# KiCad board AMC_FMC_Carrier-PcbDoc.kicad_pcb (continued)
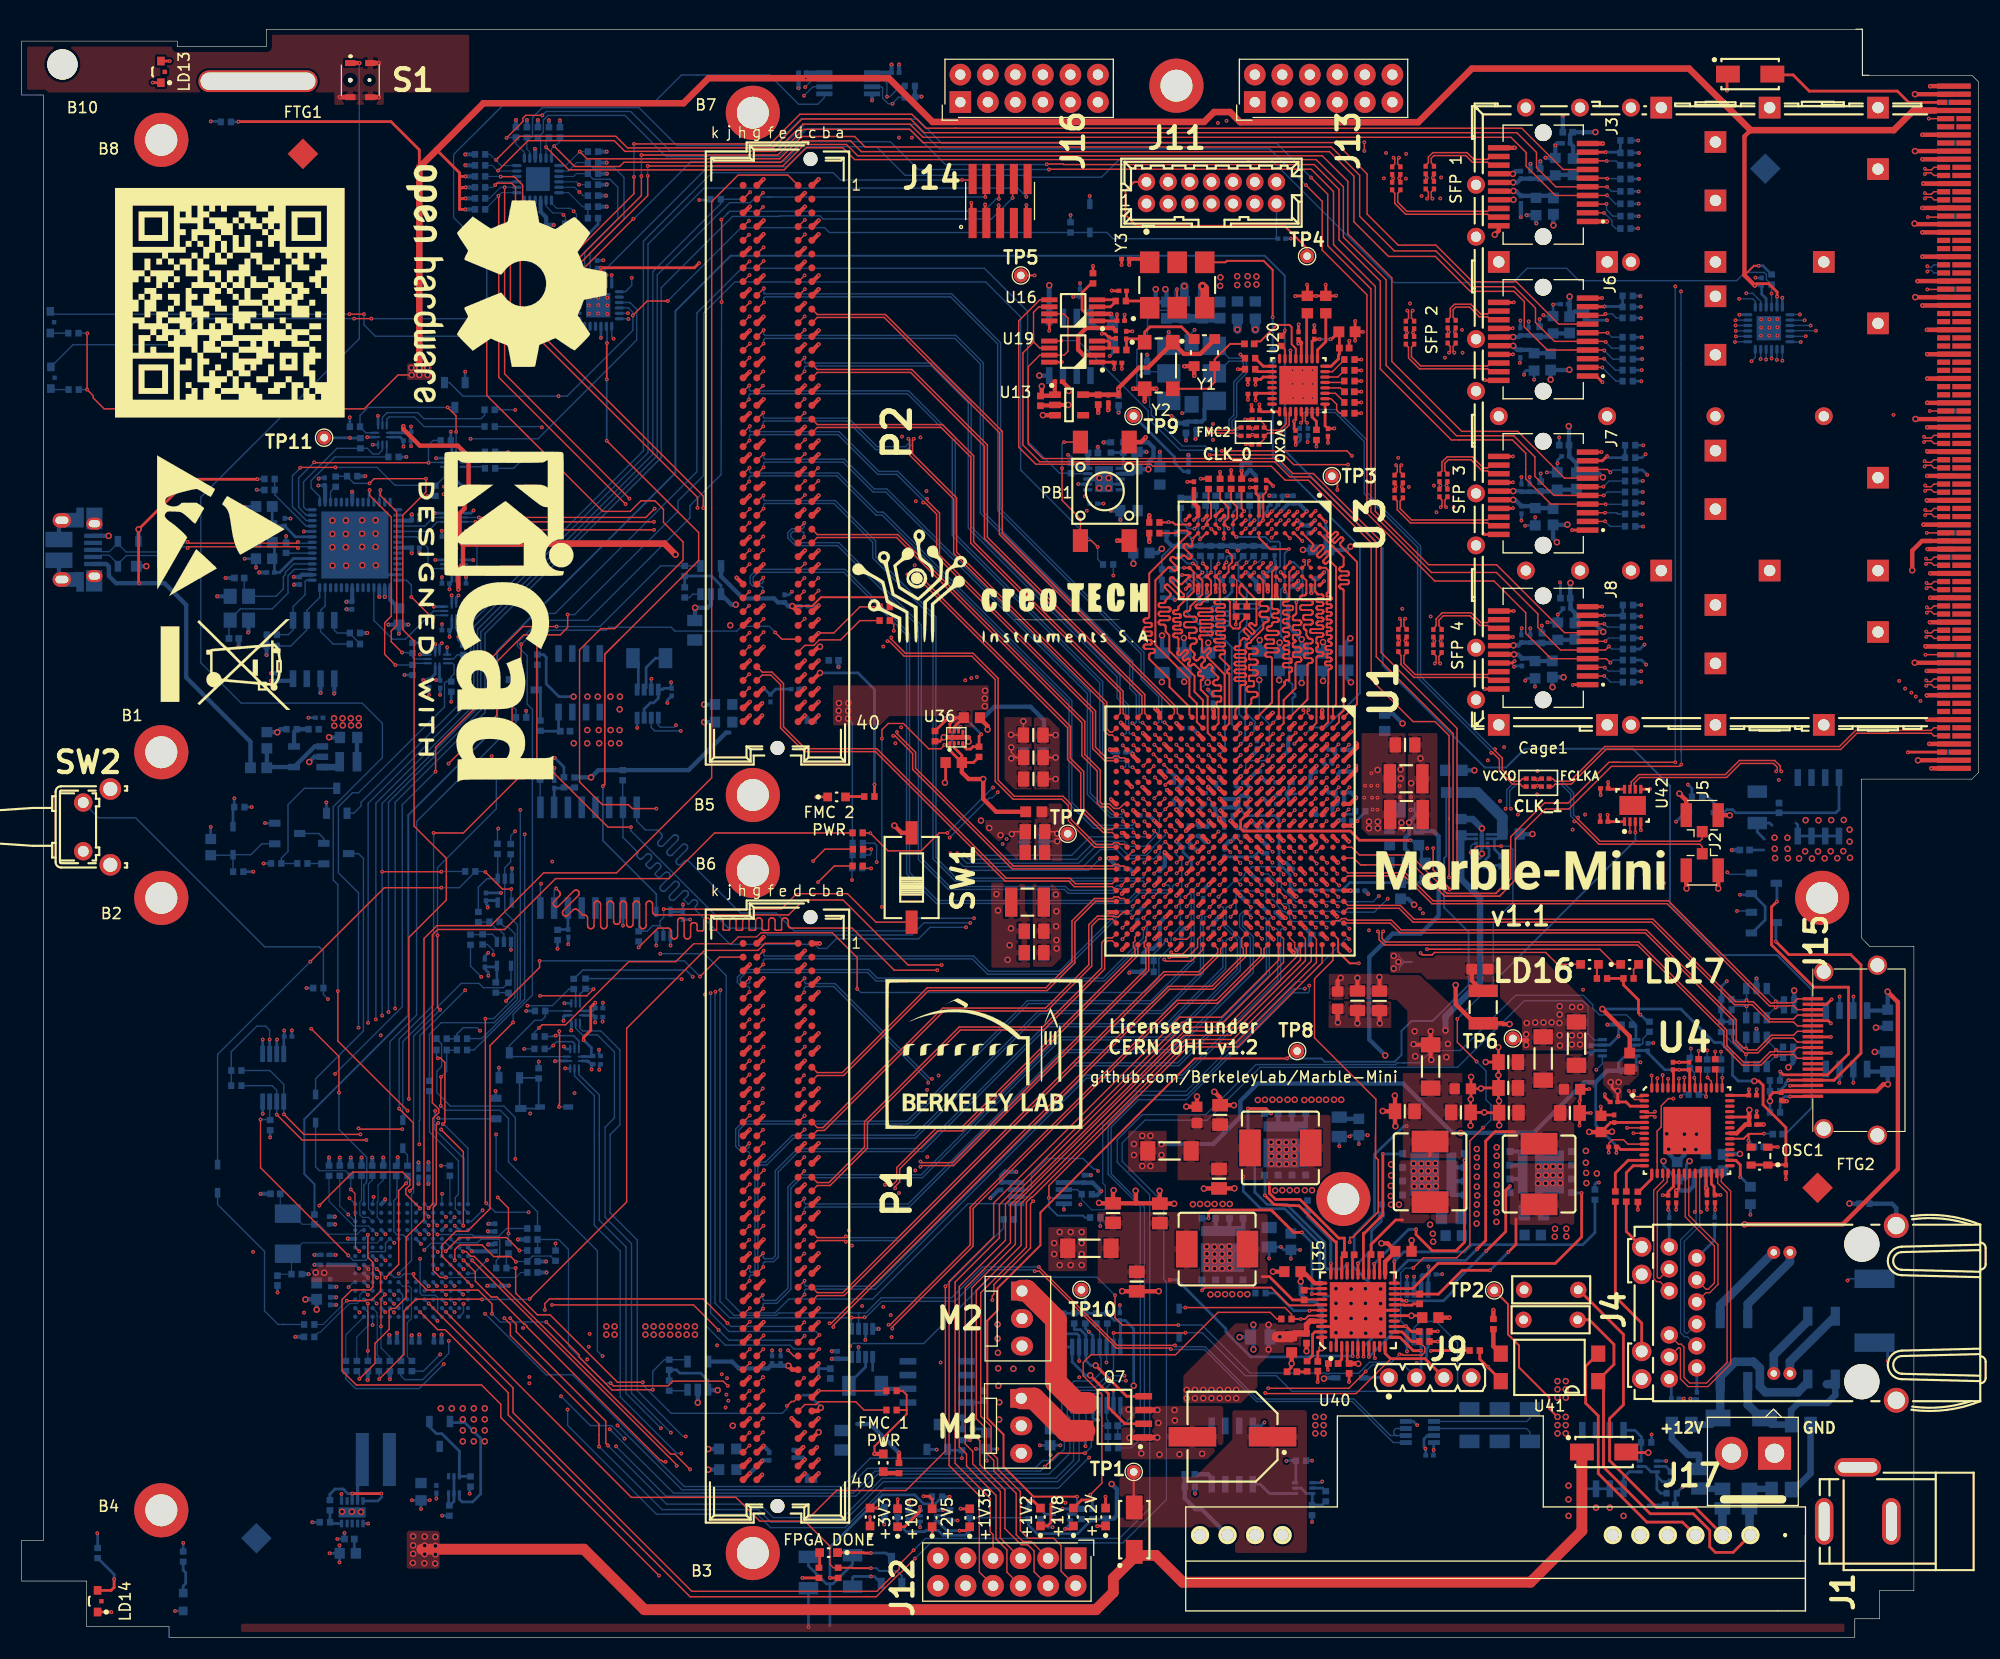
[diagram p0: board, top side]
## Placement (name value [footprint] x y rotation side) (continued)
C246  CC0201_470NF_4V_20%_X5R  [CAPC0603X33N]  113.54 67.93 0 bottom
C247  CC0201_470NF_4V_20%_X5R  [CAPC0603X33N]  107.56 72.96 0 bottom
C248  CC0201_470NF_4V_20%_X5R  [CAPC0603X33N]  114.96 72.76 90 bottom
C249  CC0201_470NF_4V_20%_X5R  [CAPC0603X33N]  109.07 68.59 90 bottom
C250  CC0201_470NF_4V_20%_X5R  [CAPC0603X33N]  103.59 75.91 0 bottom
C251  CC0201_470NF_4V_20%_X5R  [CAPC0603X33N]  105.51 79.97 0 bottom
C252  CC0805_4.7UF_10V_10%_X5R  [CAPC2012X135N]  93.37 81.5 180 bottom
C253  CC0805_4.7UF_10V_10%_X5R  [CAPC2012X135N]  93.45 65.21 180 top
C254  CC0805_4.7UF_10V_10%_X5R  [CAPC2012X135N]  93.38 79.26 180 top
C255  CC0805_4.7UF_10V_10%_X5R  [CAPC2012X135N]  93.37 83.32 180 top
C256  CC0201_470NF_4V_20%_X5R  [CAPC0603X33N]  111.04 72.44 90 bottom
C257  CC0201_470NF_4V_20%_X5R  [CAPC0603X33N]  105.03 70.45 90 bottom
C258  CC0201_470NF_4V_20%_X5R  [CAPC0603X33N]  103 66.56 90 bottom
C259  CC0201_470NF_4V_20%_X5R  [CAPC0603X33N]  107.49 83.96 0 bottom
C260  CC0201_470NF_4V_20%_X5R  [CAPC0603X33N]  110.01 65.48 90 bottom
C261  CC0201_470NF_4V_20%_X5R  [CAPC0603X33N]  115.42 66.94 180 bottom
C262  CC0201_470NF_4V_20%_X5R  [CAPC0603X33N]  101.55 70.97 0 bottom
C263  CC0201_470NF_4V_20%_X5R  [CAPC0603X33N]  107.03 64.43 90 bottom
C264  CC0201_470NF_4V_20%_X5R  [CAPC0603X33N]  112.42 78.93 180 bottom
C265  CC1210_100UF_6.3V_20%_X5R  [CAPC3225X270N]  127.79 79.29 0 top
C266  CC1210_100UF_6.3V_20%_X5R  [CAPC3225X270N]  127.81 75.98 0 top
C267  CC0201_470NF_4V_20%_X5R  [CAPC0603X33N]  106.63 76.95 180 bottom
C268  CC0805_4.7UF_10V_10%_X5R  [CAPC2012X135N]  109.47 90 90 bottom
C269  CC0201_470NF_4V_20%_X5R  [CAPC0603X33N]  106.68 78.93 180 bottom
C270  CC0805_4.7UF_10V_10%_X5R  [CAPC2012X135N]  107.29 90 90 bottom
C271  CC0201_470NF_4V_20%_X5R  [CAPC0603X33N]  115.42 78.96 0 bottom
C272  CC0805_4.7UF_10V_10%_X5R  [CAPC2012X135N]  114.25 90.18 90 bottom
C273  CC0201_470NF_4V_20%_X5R  [CAPC0603X33N]  110.57 78.9 0 bottom
C274  CC0805_4.7UF_10V_10%_X5R  [CAPC2012X135N]  128.14 76.42 0 bottom
C275  CC0201_470NF_4V_20%_X5R  [CAPC0603X33N]  109.6 77.97 0 bottom
C276  CC0805_4.7UF_10V_10%_X5R  [CAPC2012X135N]  127.68 82.41 0 top
C277  CC0201_470NF_4V_20%_X5R  [CAPC0603X33N]  109.55 76.97 0 bottom
C278  CC0805_4.7UF_10V_10%_X5R  [CAPC2012X135N]  105.26 89.99 90 bottom
C279  CC0201_470NF_4V_20%_X5R  [CAPC0603X33N]  115.47 76.95 0 bottom
C280  CC0603_22UF_6.3V_20%_X5R  [CAPC1709X100N]  120.14 90.06 90 bottom
C281  CC0603_22UF_6.3V_20%_X5R  [CAPC1709X100N]  121.46 58.84 270 bottom
C282  CC0603_22UF_6.3V_20%_X5R  [CAPC1709X100N]  116.08 90.06 90 bottom
C283  CC0603_22UF_6.3V_20%_X5R  [CAPC1709X100N]  121.46 58.84 270 top
C284  CC0805_4.7UF_10V_10%_X5R  [CAPC2012X135N]  122.22 90.21 90 bottom
C285  CC0805_4.7UF_10V_10%_X5R  [CAPC2012X135N]  123.29 58.79 270 top
C286  CC0805_4.7UF_10V_10%_X5R  [CAPC2012X135N]  118.13 90.21 90 bottom
C287  CC0805_4.7UF_10V_10%_X5R  [CAPC2012X135N]  125.34 58.78 270 top
C288  CC0201_100NF_6.3V_10%_X5R  [CAPC0603X33N]  139.22 79.3 0 top
C289  CC0201_100NF_6.3V_10%_X5R  [CAPC0603X33N]  139.22 78.56 0 top
C290  CC0201_100NF_6.3V_10%_X5R  [CAPC0603X33N]  112.9 111.72 0 top
C291  CC0201_100NF_6.3V_10%_X5R  [CAPC0603X33N]  112.9 110.95 0 top
C292  CC0201_100NF_6.3V_10%_X5R  [CAPC0603X33N]  140.63 79.3 180 top
C293  CC0201_100NF_6.3V_10%_X5R  [CAPC0603X33N]  139.22 79.29 0 bottom
C294  CC0201_100NF_6.3V_10%_X5R  [CAPC0603X33N]  140.63 78.56 180 top
C295  CC0201_100NF_6.3V_10%_X5R  [CAPC0603X33N]  139.22 78.56 0 bottom
C296  CC0201_100NF_6.3V_10%_X5R  [CAPC0603X33N]  114.32 111.72 180 top
C297  CC0201_100NF_6.3V_10%_X5R  [CAPC0603X33N]  114.32 110.95 180 top
C298  CC0201_100NF_6.3V_10%_X5R  [CAPC0603X33N]  127.25 134.02 90 top
C299  CC0201_100NF_6.3V_10%_X5R  [CAPC0603X33N]  126.49 134.02 90 top
C300  CC0201_100NF_6.3V_10%_X5R  [CAPC0603X33N]  128.52 119.77 90 top
C301  CC0201_100NF_6.3V_10%_X5R  [CAPC0603X33N]  127.76 119.77 90 top
C302  CC0201_100NF_6.3V_10%_X5R  [CAPC0603X33N]  127.48 105.57 90 top
C303  CC0201_100NF_6.3V_10%_X5R  [CAPC0603X33N]  126.72 105.57 90 top
C304  CC0201_100NF_6.3V_10%_X5R  [CAPC0603X33N]  127.83 91.38 90 top
C305  CC0201_100NF_6.3V_10%_X5R  [CAPC0603X33N]  127.07 91.38 90 top
C306  CC0201_100NF_6.3V_10%_X5R  [CAPC0603X33N]  130.35 135.5 270 top
C307  CC0201_100NF_6.3V_10%_X5R  [CAPC0603X33N]  129.59 135.5 270 top
C308  CC0201_100NF_6.3V_10%_X5R  [CAPC0603X33N]  132.36 121.27 270 top
C309  CC0201_100NF_6.3V_10%_X5R  [CAPC0603X33N]  131.62 121.27 270 top
C310  CC0201_100NF_6.3V_10%_X5R  [CAPC0603X33N]  131.6 107.07 270 top
C311  CC0201_100NF_6.3V_10%_X5R  [CAPC0603X33N]  130.86 107.07 270 top
C312  CC0201_100NF_6.3V_10%_X5R  [CAPC0603X33N]  131.06 92.72 270 top
C313  CC0201_100NF_6.3V_10%_X5R  [CAPC0603X33N]  130.3 92.72 270 top
C314  CC0201_100NF_6.3V_10%_X5R  [CAPC0603X33N]  127.25 135.45 270 top
C315  CC0201_100NF_6.3V_10%_X5R  [CAPC0603X33N]  126.49 135.45 270 top
C316  CC0201_100NF_6.3V_10%_X5R  [CAPC0603X33N]  128.52 121.2 270 top
C317  CC0201_100NF_6.3V_10%_X5R  [CAPC0603X33N]  127.76 121.2 270 top
C318  CC0201_100NF_6.3V_10%_X5R  [CAPC0603X33N]  127.48 106.97 270 top
C319  CC0201_100NF_6.3V_10%_X5R  [CAPC0603X33N]  126.72 106.97 270 top
C320  CC0201_100NF_6.3V_10%_X5R  [CAPC0603X33N]  127.83 92.74 270 top
C321  CC0201_100NF_6.3V_10%_X5R  [CAPC0603X33N]  127.07 92.74 270 top
C322  CC0201_100NF_6.3V_10%_X5R  [CAPC0603X33N]  130.35 134.1 90 top
C323  CC0201_100NF_6.3V_10%_X5R  [CAPC0603X33N]  129.59 134.1 90 top
C324  CC0201_100NF_6.3V_10%_X5R  [CAPC0603X33N]  132.36 119.87 90 top
C325  CC0201_100NF_6.3V_10%_X5R  [CAPC0603X33N]  131.62 119.87 90 top
C326  CC0201_100NF_6.3V_10%_X5R  [CAPC0603X33N]  131.6 105.68 90 top
C327  CC0201_100NF_6.3V_10%_X5R  [CAPC0603X33N]  130.86 105.68 90 top
C328  CC0201_100NF_6.3V_10%_X5R  [CAPC0603X33N]  131.06 91.3 90 top
C329  CC0201_100NF_6.3V_10%_X5R  [CAPC0603X33N]  130.3 91.3 90 top
C330  CC0805_47UF_6.3V_20%_X5R  [CAPC2012X140N]  132.84 48.48 0 top
C331  CC0603_4.7UF_25V_10%_X5R  [CAPC1709X95N]  139.47 37.15 0 bottom
C332  CC0201_470NF_4V_20%_X5R  [CAPC0603X33N]  109.95 86.66 90 bottom
C333  CC0201_470NF_4V_20%_X5R  [CAPC0603X33N]  123.62 68.95 0 bottom
C334  CC0201_470NF_4V_20%_X5R  [CAPC0603X33N]  117.04 83.48 270 bottom
C335  CC0201_470NF_4V_20%_X5R  [CAPC0603X33N]  117.65 70.94 180 bottom
C336  CC0201_470NF_4V_20%_X5R  [CAPC0603X33N]  114.02 82.43 270 bottom
C337  CC0201_470NF_4V_20%_X5R  [CAPC0603X33N]  119.56 64.93 180 bottom
C338  CC0201_470NF_4V_20%_X5R  [CAPC0603X33N]  114.62 79.97 180 bottom
C339  CC0201_470NF_4V_20%_X5R  [CAPC0603X33N]  118.57 63.96 0 bottom
C340  CC0805_47UF_6.3V_20%_X5R  [CAPC2012X140N]  137.26 48.45 180 top
C341  CC0805_47UF_6.3V_20%_X5R  [CAPC2012X140N]  137.21 50.74 180 top
C342  CC0201_100NF_6.3V_10%_X5R  [CAPC0603X33N]  53.11 126.79 90 bottom
C343  CC0603_4.7UF_25V_10%_X5R  [CAPC1709X95N]  94.93 18.48 270 bottom
C344  CC0603_4.7UF_25V_10%_X5R  [CAPC1709X95N]  89.05 18.15 270 bottom
C345  CC0805_47UF_6.3V_20%_X5R  [CAPC2012X140N]  137.21 53.12 180 top
C346  CC0805_47UF_6.3V_20%_X5R  [CAPC2012X140N]  105.05 39.15 90 top
C347  CC0603_4.7UF_25V_10%_X5R  [CAPC1709X95N]  108.48 48.25 90 top
C348  CC0603_4.7UF_25V_10%_X5R  [CAPC1709X95N]  133.02 50.66 0 top
C349  CC0603_4.7UF_25V_10%_X5R  [CAPC1709X95N]  143.1 50.61 0 top
C350  CAE830-1020_470UF_16V_20%  [CAPAE830X1020N]  111.76 18.53 180 top
C351  CC0201_100NF_6.3V_10%_X5R  [CAPC0603X33N]  59.99 87.29 270 bottom
C352  CC0201_100NF_6.3V_10%_X5R  [CAPC0603X33N]  152.61 22.05 0 bottom
C353  CPER_4.7NF_400V_5%_500-250X720X650  [CAPR500-250X720X650]  141.12 29.32 180 top
C354  CPER_4.7NF_400V_5%_500-250X720X650  [CAPR500-250X720X650]  141.17 32.09 180 top
C355  CC0201_100NF_6.3V_10%_X5R  [CAPC0603X33N]  39.14 97.32 180 bottom
C356  CC0201_100NF_6.3V_10%_X5R  [CAPC0603X33N]  40.66 97.32 0 bottom
C357  CC0402_100NF_25V_10%_X5R  [CAPC1005X55N]  162.2 76.59 270 bottom
C358  CC0201_100NF_6.3V_10%_X5R  [CAPC0603X33N]  42.85 68.39 90 bottom
C359  CC0201_100NF_6.3V_10%_X5R  [CAPC0603X33N]  42.75 62.27 90 bottom
C360  CC0603_4.7UF_25V_10%_X5R  [CAPC1709X95N]  17.45 72.97 90 bottom
C361  CC0603_4.7UF_25V_10%_X5R  [CAPC1709X95N]  127.53 35.65 0 top
C362  CC0402_100NF_25V_10%_X5R  [CAPC1005X55N]  119.63 25.03 270 top
C363  CC0402_100NF_25V_10%_X5R  [CAPC1005X55N]  117.25 24.52 180 top
C364  CC0603_4.7UF_25V_10%_X5R  [CAPC1709X95N]  119.94 100.42 0 bottom
C365  CC0201_100NF_6.3V_10%_X5R  [CAPC0603X33N]  113.38 108.11 270 bottom
C366  CC0201_100NF_6.3V_10%_X5R  [CAPC0603X33N]  115.65 100.27 90 bottom
C367  CC0201_100NF_6.3V_10%_X5R  [CAPC0603X33N]  116 105.4 180 bottom
C368  CC0201_100NF_6.3V_10%_X5R  [CAPC0603X33N]  107.7 107.99 270 bottom
C369  CC0201_100NF_6.3V_10%_X5R  [CAPC0603X33N]  105.26 96.35 90 bottom
C370  CC0201_100NF_6.3V_10%_X5R  [CAPC0603X33N]  120.37 102.02 270 bottom
C371  CC0201_100NF_6.3V_10%_X5R  [CAPC0603X33N]  116.89 95.52 270 bottom
C372  CC0201_100NF_6.3V_10%_X5R  [CAPC0603X33N]  115.59 104.61 0 bottom
C373  CC0603_4.7UF_25V_10%_X5R  [CAPC1709X95N]  103.35 100.14 180 bottom
C374  CC0402_100PF_50V_5%_C0G  [CAPC1005X55N]  162.08 46.47 0 bottom
C375  CC0402_100PF_50V_5%_C0G  [CAPC1005X55N]  160.35 45.3 0 bottom
C376  CC0201_100NF_6.3V_10%_X5R  [CAPC0603X33N]  146.07 78.4 180 top
C377  CC0201_100NF_6.3V_10%_X5R  [CAPC0603X33N]  146.05 75.32 180 top
C378  CC0201_100NF_6.3V_10%_X5R  [CAPC0603X33N]  140.64 79.29 180 bottom
C379  CC0201_100NF_6.3V_10%_X5R  [CAPC0603X33N]  140.64 78.55 180 bottom
C380  CC0201_100NF_6.3V_10%_X5R  [CAPC0603X33N]  129.95 16.8 180 bottom
C381  CC0201_100NF_6.3V_10%_X5R  [CAPC0603X33N]  80.63 144.49 0 bottom
C382  CC0201_100NF_6.3V_10%_X5R  [CAPC0603X33N]  72.06 144.49 180 bottom
C383  CC0402_1UF_16V_10%_X5R  [CAPC1005X55N]  107.47 111.67 270 bottom
C384  CC0201_100NF_6.3V_10%_X5R  [CAPC0603X33N]  108.35 111.92 270 bottom
C385  CC0201_100NF_6.3V_10%_X5R  [CAPC0603X33N]  112.9 111.72 0 bottom
C386  CC0201_100NF_6.3V_10%_X5R  [CAPC0603X33N]  112.9 110.94 0 bottom
C387  CC0201_100NF_6.3V_10%_X5R  [CAPC0603X33N]  98.05 42.33 90 bottom
C388  CC0201_100NF_6.3V_10%_X5R  [CAPC0603X33N]  90.41 41.67 270 bottom
C389  CC0402_100NF_25V_10%_X5R  [CAPC1005X55N]  122.55 115.02 180 top
Cage1  -  [TYCO_2007132-1]  140.44 112.76 180 top
D1  SS16  [DIOM5127X229N]  159.54 144.36 0 top
D2  BAT165  [SOD2512X110N]  106.83 29.06 90 bottom
D3  BAT165  [SOD2512X110N]  27.13 48.83 270 bottom
D4  SS16  [DIOM5127X229N]  146.06 17.11 0 top
D5  BAT165  [SOD2512X110N]  122.58 23.96 0 bottom
D6  MB210S-TP  [SOIC254P665X290-4N]  158.05 26.52 270 bottom
D7  MB210S-TP  [SOIC254P665X290-4N]  166.13 26.75 270 bottom
D8  SMAJ58A  [DIOM5226X262N]  158.72 20.26 180 bottom
D9  BAT165  [SOD2512X110N]  155.04 76.16 180 bottom
D10  HDMIULC6-4SC6  [SOT95P280X145-6N]  160.12 58.56 270 bottom
D11  HDMIULC6-4SC6  [SOT95P280X145-6N]  160.12 54.06 270 bottom
D12  SS16  [DIOM5127X229N]  102.69 9.94 90 top
D13  PRTR5V0U2X  [SOT190P230X110-4N]  9.83 100.06 90 bottom
D14  BAT165  [SOD2512X110N]  49.15 48.97 180 bottom
D15  BAT165  [SOD2512X110N]  98.59 131.04 90 bottom
D16  BAT165  [SOD2512X110N]  19.51 73.57 270 bottom
D17  BAT165  [SOD2512X110N]  18.08 42.35 270 bottom
D18  BAT165  [SOD2512X110N]  35.18 46.47 270 bottom
FTG1  FIDUCIAL_TARGET_C100-200  [FIDUCIAL_TOP_S200-400]  25.96 136.99 0 top
FTG2  FIDUCIAL_TARGET_C100-200  [FIDUCIAL_TOP_S200-400]  165.76 41.52 0 top
FTG3  FIDUCIAL_TARGET_C100-200  [FIDUCIAL_BOT_S200-400]  21.67 9.16 0 top
FTG4  Pads:FIDUCIAL_BOT_S200-400  [FIDUCIAL_BOT_S200-400]  160.93 135.62 0 top
G***  LOGO  [CTI_logo]  90.83 96.94 0 top
G***#2  LOGO  [qr_neg]  19.21 123.25 0 top
G***#3  LOGO  [lbl_logo_new]  88.8 53.89 0 top
G***#4  LOGO  [marble_font]  138.33 69.13 0 top
G***#5  LOGO  [CTI_logo]  16.31 119.27 90 bottom
G***#6  LOGO  [marble_font]  50.7 22.14 90 bottom
G***#7  LOGO  [lbl_logo_new]  32.28 127.55 90 bottom
G***#8  LOGO  [qr_neg]  12.34 25.18 0 bottom
J1  -  [CLIFF_FC68148(DC-10A)]  172.57 10.71 90 top
J2  HIROSE_U.FL-R-SMT-1(10)  [U.FL_Hirose_U.FL-R-SMT-1_Vertical]  155.12 71.31 270 top
J3  TYCO_1888247-1  [TE_1888247-1]  140.44 134.15 90 top
J4  BELFUSE_0826-1X1T-HS-F  [BELFUSE_0826-1X1T-80-F]  153.34 29.96 270 top
J5  HIROSE_U.FL-R-SMT-1(10)  [U.FL_Hirose_U.FL-R-SMT-1_Vertical]  155.12 75.45 90 top
J6  TYCO_1888247-1  [TE_1888247-1]  140.44 119.87 90 top
J7  TYCO_1888247-1  [TE_1888247-1]  140.44 105.65 90 top
J8  TYCO_1888247-1  [TE_1888247-1]  140.44 91.38 90 top
J9  2057-PH1-04-UA-ND  [SAMTEC_MTLW-104-07-L-S-250]  126.19 23.99 0 top
J10  10103594-0001LF  [USB_Micro-B_Amphenol_10103594-0001LF_Horizontal]  4.83 100.44 90 bottom
J11  -  [MOLEX_87831-1420]  109.82 133.4 0 top
J12  PPTC062LJBN-RC  [SDL-112-X-XX_2x06]  97.28 7.3 270 top
J13  PPTC062LJBN-RC  [SDL-112-X-XX_2x06]  113.82 141.77 90 top
J14  FTSH-105-01-L-DV-K  [SAMTEC_FTSH-105-01-L-DV-K]  90.31 132.64 0 top
J15  -  [10029449-111RLF]  165.33 54.22 90 top
J16  PPTC062LJBN-RC  [SDL-112-X-XX_2x06]  86.64 141.77 90 top
J17  TE_641119-2  [641119-2]  159.81 16.25 180 top
L1  IND0603_MURATA_BLM18SG121TN1D  [INDC1608X65N]  143.2 135.81 270 bottom
L2  IND0603_MURATA_BLM18SG121TN1D  [INDC1608X65N]  141.38 132.17 90 bottom
L3  IND0603_MURATA_BLM18SG121TN1D  [INDC1608X65N]  148.42 53.21 270 top
L4  IND0603_MURATA_BLM18SG121TN1D  [INDC1608X65N]  157.05 43.84 270 bottom
L5  IND0603_MURATA_BLM18SG121TN1D  [INDC1608X65N]  143.51 106.78 270 bottom
L6  IND0603_MURATA_BLM18SG121TN1D  [INDC1608X65N]  141.35 103.48 90 bottom
L7  IND0603_MURATA_BLM18SG121TN1D  [INDC1608X65N]  143.37 92.91 270 bottom
L8  IND0603_MURATA_BLM18SG121TN1D  [INDC1608X65N]  141.27 89.42 90 bottom
L9  IND0603_MURATA_BLM18SG121TN1D  [INDC1608X65N]  27.23 31.97 90 bottom
L10  IND0603_MURATA_BLM18SG121TN1D  [INDC1608X65N]  21.87 80.3 0 bottom
L11  IND0603_MURATA_BLM18SG121TN1D  [INDC1608X65N]  105.66 122.55 270 bottom
L12  IND0603_MURATA_BLM18SG121TN1D  [INDC1608X65N]  110.62 122.57 90 bottom
L13  IND_10UH_20%_TDK_VLCF5020-1  [IND_TDK_VLCF5020-1]  32.69 16.42 0 bottom
L14  IND1806_MURATA_BLM41PG600SN1L  [INDC4516X180N]  143.51 54.83 90 top
L15  IND0603_MURATA_BLM18SG121TN1D  [INDC1608X65N]  93.42 76.24 0 top
L16  IND0603_MURATA_BLM18SG121TN1D  [INDC1608X65N]  132.24 78.02 180 bottom
L17  IND_2.2UH_20%_BOURNS_SRP6540  [IND_BOURNS_SRP6540]  110.34 35.85 180 top
L18  IND_2.2UH_20%_BOURNS_SRP6540  [IND_BOURNS_SRP6540]  116.18 45.2 180 top
L19  IND_2.2UH_20%_BOURNS_SRP6540  [IND_BOURNS_SRP6540]  130 42.99 90 top
L20  IND_2.2UH_20%_BOURNS_SRP6540  [IND_BOURNS_SRP6540]  140.05 42.79 90 top
L21  IND1806_MURATA_BLM41PG600SN1L  [INDC4516X180N]  98.55 35.93 180 top
L22  IND1806_MURATA_BLM41PG600SN1L  [INDC4516X180N]  105.94 44.92 180 top
L23  IND_2.2UH_20%_WURTH_WE-PMCI_74479276222C  [IND_WURTH_WE-PMCI_0806LR]  30.15 80.86 0 bottom
L24  IND0603_MURATA_BLM18SG121TN1D  [INDC1608X65N]  22.38 101.13 0 bottom
L25  IND0603_MURATA_BLM18SG121TN1D  [INDC1608X65N]  22.38 104.43 0 bottom
L26  IND0603_MURATA_BLM18SG121TN1D  [INDC1608X65N]  122.33 120.56 0 top
L27  IND0603_MURATA_BLM18SG121TN1D  [INDC1608X65N]  128.95 73.9 270 bottom
L28  IND0603_MURATA_BLM18SG121TN1D  [INDC1608X65N]  127.27 68.95 90 bottom
L31  IND1806_MURATA_BLM41PG600SN1L  [INDC4516X180N]  130.05 52.72 90 top
L32  IND1806_MURATA_BLM41PG600SN1L  [INDC4516X180N]  140.44 53.45 90 top
L33  IND0603_MURATA_BLM18SG121TN1D  [INDC1608X65N]  134.59 61.71 180 top
L34  IND0603_MURATA_BLM18SG121TN1D  [INDC1608X65N]  126.26 73.93 270 bottom
L35  1k@100MHz  [INDC2012X145N]  164.21 19.65 0 bottom
L36  1k@100MHz  [INDC2012X145N]  153.21 19.65 180 bottom
L37  1k@100MHz  [INDC2012X145N]  162.41 13.65 180 bottom
L38  1k@100MHz  [INDC2012X145N]  154.81 14.65 270 bottom
L39  1k@100MHz  [INDC2012X145N]  159.48 12.81 270 bottom
L40  1k@100MHz  [INDC2012X145N]  156.98 12.81 270 bottom
L41  IND0603_MURATA_BLM18SG121TN1D  [INDC1608X65N]  142.87 121.21 270 bottom
L42  IND0603_MURATA_BLM18SG121TN1D  [INDC1608X65N]  141.12 117.78 90 bottom
LD1  -  [LED_KINGBRIGHT_KPH-1608CGCK]  79.53 16.12 270 top
LD2  -  [LED_KINGBRIGHT_KPH-1608CGCK]  75.22 77.61 0 top
LD3  -  [LED_KINGBRIGHT_KPH-1608CGCK]  74.48 7.82 180 top
LD4  -  [LED_KINGBRIGHT_KPH-1608CGCK]  78.31 11.11 90 top
LD5  -  [LED_KINGBRIGHT_KPH-1608CGCK]  80.85 11.04 90 top
LD6  -  [LED_KINGBRIGHT_KPH-1608CGCK]  84.04 11.05 90 top
LD7  -  [LED_KINGBRIGHT_KPH-1608CGCK]  87.5 11.04 90 top
LD8  -  [LED_KINGBRIGHT_KPH-1608CGCK]  94.03 11.11 90 top
LD9  -  [LED_KINGBRIGHT_KPH-1608CGCK]  97.08 11.11 90 top
LD10  -  [LED_KINGBRIGHT_KPH-1608CGCK]  100.05 11.11 90 top
LD11  -  [LED_AVAGO_HSMC-C120]  2.69 116.32 270 bottom
LD12  -  [LED_AVAGO_HSMC-C120]  2.64 121.45 270 bottom
LD13  -  [LED_AVAGO_HSMC-C120]  12.85 144.56 90 top
LD14  -  [LED_AVAGO_HSMC-C120]  7.01 3.34 90 top
LD15  -  [LED_KINGBRIGHT_KPH-1608CGCK]  14.91 3.26 90 bottom
LD16  -  [LED_KINGBRIGHT_KPH-1608CGCK]  144.71 62.15 0 top
LD17  -  [LED_KINGBRIGHT_KPH-1608CGCK]  148.41 62.15 0 top
M1  Fan_3pin  [Fan_Pin_Header_Straight_1x03]  92.26 22.07 0 top
M2  Fan_3pin  [Fan_Pin_Header_Straight_1x03]  92.33 31.98 0 top
OSC1  25MHz  [OSC_MICREL_2520]  160.4 44.44 180 top
P1  -  [SAMTEC_ASP-134603-01]  69.76 39.32 90 top
P2  -  [SAMTEC_ASP-134603-01]  69.76 109.32 90 top
P3  CMP-0001-00058-2  [AMC-GF-2D-750-O274]  178.35 111.75 0 bottom
PB1  -  [PB_TYCO_FSM2JSMA]  99.97 105.83 0 top
Q1  BC857BV  [SOTFL50P160X60-6N]  150.14 15.79 0 bottom
Q2  SI4425DDY-T1-GE3  [SOIC127P600X175-8N]  145.95 16.42 270 bottom
Q3  SI4425DDY-T1-GE3  [SOIC127P600X175-8N]  165.84 76.69 270 bottom
Q4  SI4425DDY-T1-GE3  [SOIC127P600X175-8N]  111.73 16.83 270 bottom
Q5  BSS138LT1G  [SOT95P240X110-3N]  44.92 48.83 0 bottom
Q6  BSS138LT1G  [SOT95P240X110-3N]  39.98 114.72 270 bottom
Q7  STS8DN6LF6AG  [SOIC127P600X175-8N]  100.86 20.36 180 top
Q8  BSS138LT1G  [SOT95P240X110-3N]  84.51 18.5 90 bottom
Q9  BSS138LT1G  [SOT95P240X110-3N]  46.35 87.49 0 bottom
Q10  FDMS7608S  [FAIRCHILD_MLP08P]  110.84 35.85 270 bottom
Q11  FDMS7608S  [FAIRCHILD_MLP08P]  116.61 45.53 270 bottom
Q12  FDMS7608S  [FAIRCHILD_MLP08P]  130.3 42.76 180 bottom
Q13  FDMS7608S  [FAIRCHILD_MLP08P]  140.21 42.96 0 bottom
Q14  BSS138LT1G  [SOT95P240X110-3N]  29.03 72.38 0 bottom
Q15  BC857BV  [SOTFL50P160X60-6N]  39.9 14.08 270 bottom
Q16  SI4425DDY-T1-GE3  [SOIC127P600X175-8N]  84.51 23.58 180 bottom
Q17  BSS138LT1G  [SOT95P240X110-3N]  45.01 52.82 90 bottom
Q18  BSS138LT1G  [SOT95P240X110-3N]  24.51 74.23 0 bottom
Q19  BSS138LT1G  [SOT95P240X110-3N]  80.29 6.13 90 bottom
Q20  BSS138LT1G  [SOT95P240X110-3N]  160.81 69.63 0 bottom
Q21  BSS138LT1G  [SOT95P240X110-3N]  160.81 66 0 bottom
Q22  BC857BV  [SOTFL50P160X60-6N]  118.33 13.78 0 bottom
Q23  SI4425DDY-T1-GE3  [SOIC127P600X175-8N]  51.46 88.15 90 bottom
Q24  BSS138LT1G  [SOT95P240X110-3N]  29.08 77.25 90 bottom
Q25  Si2315BDS-T1-E3  [SOT95P237X112-3N]  38.58 18.78 270 bottom
Q26  BC847BV  [SOTFL50P160X60-6N]  83.69 11.21 180 bottom
Q27  BC847BV  [SOTFL50P160X60-6N]  95.96 11.37 180 bottom
R1  R0402_51R_1%_0.0625W_100PPM  [RESC1005X40N]  113.33 104.97 270 bottom
R2  R0402_51R_1%_0.0625W_100PPM  [RESC1005X40N]  114.32 104.97 270 bottom
R3  R0402_51R_1%_0.0625W_100PPM  [RESC1005X40N]  112.34 104.97 270 bottom
R4  R0402_40R2_1%_0.0625W_100PPM  [RESC1005X40N]  108.79 100.34 270 bottom
R5  R0402_40R2_1%_0.0625W_100PPM  [RESC1005X40N]  110.21 104.95 270 bottom
R6  R0402_40R2_1%_0.0625W_100PPM  [RESC1005X40N]  109.55 106.51 270 top
R7  R0402_40R2_1%_0.0625W_100PPM  [RESC1005X40N]  106.98 104.76 270 bottom
R8  R0402_40R2_1%_0.0625W_100PPM  [RESC1005X40N]  106.15 101.97 0 bottom
R9  R0402_40R2_1%_0.0625W_100PPM  [RESC1005X40N]  106.88 100.32 270 bottom
R10  R0402_40R2_1%_0.0625W_100PPM  [RESC1005X40N]  104.55 101.97 0 top
R11  R0402_40R2_1%_0.0625W_100PPM  [RESC1005X40N]  111.78 100.32 270 bottom
R12  R0402_40R2_1%_0.0625W_100PPM  [RESC1005X40N]  111.24 97.63 180 bottom
R13  R0402_40R2_1%_0.0625W_100PPM  [RESC1005X40N]  109.28 104.97 270 bottom
R14  R0402_40R2_1%_0.0625W_100PPM  [RESC1005X40N]  108.27 105.02 270 bottom
R15  R0402_40R2_1%_0.0625W_100PPM  [RESC1005X40N]  109.73 100.32 270 bottom
R16  R0402_40R2_1%_0.0625W_100PPM  [RESC1005X40N]  107.85 100.32 270 bottom
R17  R0402_40R2_1%_0.0625W_100PPM  [RESC1005X40N]  105.71 97.63 0 bottom
R18  R0402_40R2_1%_0.0625W_100PPM  [RESC1005X40N]  112.74 100.31 270 bottom
R19  R0402_40R2_1%_0.0625W_100PPM  [RESC1005X40N]  110.69 100.32 270 bottom
R20  R0402_40R2_1%_0.0625W_100PPM  [RESC1005X40N]  114.72 100.31 270 bottom
R21  R0402_40R2_1%_0.0625W_100PPM  [RESC1005X40N]  113.7 100.31 270 bottom
R22  R0402_40R2_1%_0.0625W_100PPM  [RESC1005X40N]  113.08 94.73 90 top
R23  R0402_40R2_1%_0.0625W_100PPM  [RESC1005X40N]  105.72 98.64 0 bottom
R24  R0402_5K1_1%_0.0625W_100PPM  [RESC1005X40N]  111.63 106.53 270 top
R25  R0402_5K1_1%_0.0625W_100PPM  [RESC1005X40N]  112.6 106.51 270 top
R26  R0402_5K1_1%_0.0625W_100PPM  [RESC1005X40N]  104.55 102.96 0 top
R27  R0402_40R2_1%_0.0625W_100PPM  [RESC1005X40N]  110.62 106.51 270 top
R28  R0402_240R_1%_0.0625W_100PPM  [RESC1005X40N]  112.09 94.73 270 top
R29  R0402_10K_1%_0.0625W_100PPM  [RESC1005X40N]  96.85 107.98 270 bottom
R30  R0402_10K_1%_0.0625W_100PPM  [RESC1005X40N]  100.53 109.88 90 bottom
R31  R0402_10K_1%_0.0625W_100PPM  [RESC1005X40N]  101.68 109.88 90 bottom
R32  R0402_10K_1%_0.0625W_100PPM  [RESC1005X40N]  148.03 137.08 0 bottom
R33  R0402_0R_JUMPER  [RESC1005X40N]  148.03 138.23 0 bottom
R34  R0402_10K_1%_0.0625W_100PPM  [RESC1005X40N]  148.03 130.1 180 bottom
R35  R0402_10K_1%_0.0625W_100PPM  [RESC1005X40N]  148.03 132.38 180 bottom
R36  R0402_10K_1%_0.0625W_100PPM  [RESC1005X40N]  148.03 133.53 180 bottom
R37  R0402_10K_1%_0.0625W_100PPM  [RESC1005X40N]  148.03 134.67 180 bottom
R38  R0402_10K_1%_0.0625W_100PPM  [RESC1005X40N]  148.03 135.94 180 bottom
R39  R0402_2K2_1%_0.0625W_100PPM  [RESC1005X40N]  51.21 130.09 90 bottom
R40  R0402_2K2_1%_0.0625W_100PPM  [RESC1005X40N]  50.19 130.09 90 bottom
R41  R0402_2K2_1%_0.0625W_100PPM  [RESC1005X40N]  45.36 130.09 90 bottom
R42  R0402_0R_JUMPER  [RESC1005X40N]  52.73 132.12 0 bottom
R43  R0402_0R_JUMPER  [RESC1005X40N]  46.38 130.09 270 bottom
R44  R0402_0R_JUMPER  [RESC1005X40N]  47.4 130.09 270 bottom
R45  R0402_22K_1%_0.0625W_100PPM  [RESC1005X40N]  42.32 132.88 180 bottom
R46  R0402_22K_1%_0.0625W_100PPM  [RESC1005X40N]  42.32 131.86 180 bottom
R47  R0402_22K_1%_0.0625W_100PPM  [RESC1005X40N]  42.32 134.91 180 bottom
R48  R0402_22K_1%_0.0625W_100PPM  [RESC1005X40N]  42.32 133.9 180 bottom
R49  R0402_22K_1%_0.0625W_100PPM  [RESC1005X40N]  42.32 136.94 180 bottom
R50  R0402_22K_1%_0.0625W_100PPM  [RESC1005X40N]  42.32 135.93 180 bottom
R51  R0402_22K_1%_0.0625W_100PPM  [RESC1005X40N]  46.63 138.98 90 bottom
R52  R0402_22K_1%_0.0625W_100PPM  [RESC1005X40N]  45.62 138.98 90 bottom
R53  R0402_22K_1%_0.0625W_100PPM  [RESC1005X40N]  48.67 138.98 90 bottom
R54  R0402_22K_1%_0.0625W_100PPM  [RESC1005X40N]  47.65 138.98 90 bottom
R55  R0402_22K_1%_0.0625W_100PPM  [RESC1005X40N]  52.73 137.2 0 bottom
R56  R0402_22K_1%_0.0625W_100PPM  [RESC1005X40N]  49.68 138.98 90 bottom
R57  R0402_22K_1%_0.0625W_100PPM  [RESC1005X40N]  52.73 135.17 0 bottom
R58  R0402_240R_1%_0.0625W_100PPM  [RESC1005X40N]  98.88 125.5 90 top
R59  R0201_200R_1%_0.05W_200PPM  [RESC0603X28N]  117.96 111.31 90 bottom
R60  R0201_200R_1%_0.05W_200PPM  [RESC0603X28N]  118.72 111.31 90 bottom
R61  R0201_200R_1%_0.05W_200PPM  [RESC0603X28N]  113.91 112.46 0 top
R62  R0402_5K1_1%_0.0625W_100PPM  [RESC1005X40N]  148.16 56.58 180 bottom
R63  R0402_10K_1%_0.0625W_100PPM  [RESC1005X40N]  44.93 59.98 90 bottom
R64  R0402_5K1_1%_0.0625W_100PPM  [RESC1005X40N]  148.18 52.32 180 bottom
R65  R0402_0R_JUMPER  [RESC1005X40N]  149.17 40.68 90 top
R66  R0603_4K99_1%_0.063W_50PPM  [RESC1608X55N]  159.56 40.8 90 bottom
R67  R0402_240R_1%_0.0625W_100PPM  [RESC1005X40N]  148.11 40.7 90 top
R68  R0402_10K_1%_0.0625W_100PPM  [RESC1005X40N]  148.23 122.86 0 bottom
R69  R0402_0R_JUMPER  [RESC1005X40N]  148.23 123.88 0 bottom
R70  R0402_10K_1%_0.0625W_100PPM  [RESC1005X40N]  148.23 116 180 bottom
R71  R0402_10K_1%_0.0625W_100PPM  [RESC1005X40N]  148.23 118.03 180 bottom
R72  R0402_10K_1%_0.0625W_100PPM  [RESC1005X40N]  148.23 119.05 180 bottom
R73  R0402_10K_1%_0.0625W_100PPM  [RESC1005X40N]  148.23 120.07 180 bottom
R74  R0402_10K_1%_0.0625W_100PPM  [RESC1005X40N]  148.23 121.84 180 bottom
R75  R0402_22K_1%_0.0625W_100PPM  [RESC1005X40N]  52.73 136.18 0 bottom
R76  R0402_10K_1%_0.0625W_100PPM  [RESC1005X40N]  148.46 108.94 0 bottom
R77  R0402_0R_JUMPER  [RESC1005X40N]  148.46 110.08 0 bottom
R78  R0402_10K_1%_0.0625W_100PPM  [RESC1005X40N]  148.46 102.59 180 bottom
R79  R0402_10K_1%_0.0625W_100PPM  [RESC1005X40N]  148.46 104.75 180 bottom
R80  R0402_10K_1%_0.0625W_100PPM  [RESC1005X40N]  148.46 105.77 180 bottom
R81  R0402_10K_1%_0.0625W_100PPM  [RESC1005X40N]  148.46 106.78 180 bottom
R82  R0402_10K_1%_0.0625W_100PPM  [RESC1005X40N]  148.46 107.8 180 bottom
R83  R0402_22K_1%_0.0625W_100PPM  [RESC1005X40N]  52.73 133.13 0 bottom
R84  R0402_0R_JUMPER  [RESC1005X40N]  148.46 103.73 180 bottom
R85  R0402_10K_1%_0.0625W_100PPM  [RESC1005X40N]  148.26 94.31 0 bottom
R86  R0402_0R_JUMPER  [RESC1005X40N]  148.26 95.33 0 bottom
R87  R0402_10K_1%_0.0625W_100PPM  [RESC1005X40N]  148.26 88.21 180 bottom
R88  R0402_10K_1%_0.0625W_100PPM  [RESC1005X40N]  148.26 90.25 180 bottom
R89  R0402_10K_1%_0.0625W_100PPM  [RESC1005X40N]  148.26 91.26 180 bottom
R90  R0402_10K_1%_0.0625W_100PPM  [RESC1005X40N]  148.26 92.28 180 bottom
R91  R0402_22K_1%_0.0625W_100PPM  [RESC1005X40N]  52.73 134.15 0 bottom
R92  R0402_240R_1%_0.0625W_100PPM  [RESC1005X40N]  101.45 123.41 180 top
R93  R0402_240R_1%_0.0625W_100PPM  [RESC1005X40N]  101.5 118.88 180 top
R94  R0402_0R_JUMPER  [RESC1005X40N]  119.51 111.04 90 top
R95  R0402_40R2_1%_0.0625W_100PPM  [RESC1005X40N]  116.26 119.72 90 top
R96  R0402_0R_JUMPER  [RESC1005X40N]  113.38 118.12 0 top
R97  R0402_0R_JUMPER  [RESC1005X40N]  113.38 117.11 0 top
R98  R0402_0R_JUMPER  [RESC1005X40N]  122.55 116.01 180 top
R99  R0402_0R_JUMPER  [RESC1005X40N]  122.55 117 180 top
R100  R0402_0R_JUMPER  [RESC1005X40N]  122.55 118 180 top
R101  R0402_0R_JUMPER  [RESC1005X40N]  122.55 113.04 180 top
R102  R0402_0R_JUMPER  [RESC1005X40N]  122.55 114.03 180 top
R103  R0402_100R_1%_0.1W_100PPM  [RESC1005X40N]  115.47 118.4 270 bottom
R104  R0402_47K_1%_0.0625W_100PPM  [RESC1005X40N]  152.3 13.31 0 bottom
R105  R0402_0R_JUMPER  [RESC1005X40N]  148.03 131.24 180 bottom
R106  R0402_40R2_1%_0.0625W_100PPM  [RESC1005X40N]  111.35 104.97 270 bottom
R107  R0402_1K_1%_0.0625W_100PPM  [RESC1005X40N]  152.23 14.83 90 bottom
R108  R0402_82K_1%_0.0625W_100PPM  [RESC1005X40N]  149.95 18.01 0 bottom
R109  R0402_270K_1%_0.0625W_100PPM  [RESC1005X40N]  28.45 12.2 270 bottom
R110  R0402_82K_1%_0.0625W_100PPM  [RESC1005X40N]  27.99 10.63 180 bottom
R111  R1206_0R47_1%_0.5W_600PPM  [RESC3216X65N]  160.2 76.64 90 bottom
R112  R0402_2K2_1%_0.0625W_100PPM  [RESC1005X40N]  22.88 106.97 0 bottom
R113  R0402_10K_1%_0.0625W_100PPM  [RESC1005X40N]  30.76 92.75 180 bottom
R114  R0402_2K2_1%_0.0625W_100PPM  [RESC1005X40N]  30.76 91.73 180 bottom
R115  R0402_10K_1%_0.0625W_100PPM  [RESC1005X40N]  23.08 91.54 0 bottom
R116  R0402_10K_1%_0.0625W_100PPM  [RESC1005X40N]  22.88 105.96 180 bottom
R117  R0402_10K_1%_0.0625W_100PPM  [RESC1005X40N]  23.09 92.6 0 bottom
R118  R0402_10K_1%_0.0625W_100PPM  [RESC1005X40N]  26.95 83.86 180 bottom
R119  R0402_2K2_1%_0.0625W_100PPM  [RESC1005X40N]  24.92 83.86 180 bottom
R120  R0402_12K_1%_0.0625W_100PPM  [RESC1005X40N]  24.41 100.62 270 bottom
R121  R0402_10K_1%_0.0625W_100PPM  [RESC1005X40N]  36.08 89.33 90 bottom
R122  R0402_10K_1%_0.0625W_100PPM  [RESC1005X40N]  38.18 105.88 90 bottom
R123  R0402_10K_1%_0.0625W_100PPM  [RESC1005X40N]  36.08 91.36 270 bottom
R124  R0402_10K_1%_0.0625W_100PPM  [RESC1005X40N]  39.14 110.53 180 bottom
R125  R0402_10K_1%_0.0625W_100PPM  [RESC1005X40N]  31.27 110.27 270 bottom
R126  R0402_10K_1%_0.0625W_100PPM  [RESC1005X40N]  34.31 109 180 bottom
R127  R0402_10K_1%_0.0625W_100PPM  [RESC1005X40N]  30.5 107.23 0 bottom
R128  R0402_47K_1%_0.0625W_100PPM  [RESC1005X40N]  39.65 87.79 90 bottom
R129  R0402_0R_JUMPER  [RESC1005X40N]  100.74 17.49 180 bottom
R130  R0402_10K_1%_0.0625W_100PPM  [RESC1005X40N]  100.2 29.45 270 bottom
R131  R0402_10K_1%_0.0625W_100PPM  [RESC1005X40N]  47.85 57.85 0 bottom
R132  R0402_0R_JUMPER  [RESC1005X40N]  25.37 33.54 0 bottom
R133  R0402_2K2_1%_0.0625W_100PPM  [RESC1005X40N]  29.36 43.09 270 bottom
R134  R0402_2K2_1%_0.0625W_100PPM  [RESC1005X40N]  28.37 43.09 270 bottom
R135  R0402_0R_JUMPER  [RESC1005X40N]  47.14 37.76 180 bottom
R136  R0402_0R_JUMPER  [RESC1005X40N]  39.52 43.09 270 bottom
R137  R0402_10K_1%_0.0625W_100PPM  [RESC1005X40N]  26.54 27.75 180 bottom
R138  R0402_10K_1%_0.0625W_100PPM  [RESC1005X40N]  30.38 43.09 90 bottom
R139  R0402_10K_1%_0.0625W_100PPM  [RESC1005X40N]  33.98 25.06 270 bottom
R140  R0402_10K_1%_0.0625W_100PPM  [RESC1005X40N]  31.95 25.06 270 bottom
R141  R0402_51R_1%_0.0625W_100PPM  [RESC1005X40N]  163.05 53.54 180 bottom
R142  R0402_10K_1%_0.0625W_100PPM  [RESC1005X40N]  47.14 34.71 0 bottom
R143  R0402_10K_1%_0.0625W_100PPM  [RESC1005X40N]  47.14 33.69 180 bottom
R144  R0402_10K_1%_0.0625W_100PPM  [RESC1005X40N]  33.37 43.09 90 bottom
R145  R0402_10K_1%_0.0625W_100PPM  [RESC1005X40N]  47.14 36.74 0 bottom
R146  R0402_10K_1%_0.0625W_100PPM  [RESC1005X40N]  32.36 43.09 90 bottom
R147  R0402_10K_1%_0.0625W_100PPM  [RESC1005X40N]  31.37 43.09 90 bottom
R148  R0402_100R_1%_0.1W_100PPM  [RESC1005X40N]  35 25.06 90 bottom
R149  R0402_100R_1%_0.1W_100PPM  [RESC1005X40N]  36.02 25.06 90 bottom
R150  R0402_100R_1%_0.1W_100PPM  [RESC1005X40N]  29.92 25.06 90 bottom
R151  R0402_100R_1%_0.1W_100PPM  [RESC1005X40N]  35.61 43.09 270 bottom
R152  R0402_100R_1%_0.1W_100PPM  [RESC1005X40N]  26.54 28.89 0 bottom
R153  R0402_100R_1%_0.1W_100PPM  [RESC1005X40N]  32.97 25.06 90 bottom
R154  R0402_100R_1%_0.1W_100PPM  [RESC1005X40N]  30.94 25.06 90 bottom
R155  R0402_100R_1%_0.1W_100PPM  [RESC1005X40N]  47.14 35.72 180 bottom
R156  R0402_240R_1%_0.0625W_100PPM  [RESC1005X40N]  147.09 40.7 90 top
R157  R0402_10K_1%_0.0625W_100PPM  [RESC1005X40N]  129.47 27.32 180 top
R158  R0402_10K_1%_0.0625W_100PPM  [RESC1005X40N]  34.57 43.07 90 bottom
R159  R0402_0R_JUMPER  [RESC1005X40N]  49.28 35.24 270 bottom
R160  R0402_2K2_1%_0.0625W_100PPM  [RESC1005X40N]  100.28 99.07 180 bottom
R161  R0402_100R_1%_0.1W_100PPM  [RESC1005X40N]  123.57 76.29 180 bottom
R162  R0402_300R_1%_0.0625W_100PPM  [RESC1005X40N]  75.36 5.96 90 top
R163  R0402_1K_1%_0.0625W_100PPM  [RESC1005X40N]  73.58 5.96 90 top
R164  R0402_51R_1%_0.0625W_100PPM  [RESC1005X40N]  163.04 54.52 180 bottom
R165  R0402_0R_JUMPER  [RESC1005X40N]  170.08 40.04 0 bottom
R166  R0402_10K_1%_0.0625W_100PPM  [RESC1005X40N]  96.81 130.2 270 bottom
R167  R0402_10K_1%_0.0625W_100PPM  [RESC1005X40N]  129.47 28.25 180 top
R168  R0402_0R_JUMPER  [RESC1005X40N]  88.37 81.77 90 top
R169  R0201_200R_1%_0.05W_200PPM  [RESC0603X28N]  113.87 110.17 0 top
R170  R0402_10K_1%_0.0625W_100PPM  [RESC1005X40N]  154.63 77.61 180 bottom
R171  R0402_10K_1%_0.0625W_100PPM  [RESC1005X40N]  39.47 11.7 270 bottom
R172  R0402_10K_1%_0.0625W_100PPM  [RESC1005X40N]  98.17 19.04 90 bottom
R173  R0402_10K_1%_0.0625W_100PPM  [RESC1005X40N]  99.19 29.45 270 bottom
R174  R0402_10K_1%_0.0625W_100PPM  [RESC1005X40N]  95.12 29.45 270 bottom
